# KiCad board washington-metro-pcb.kicad_pcb
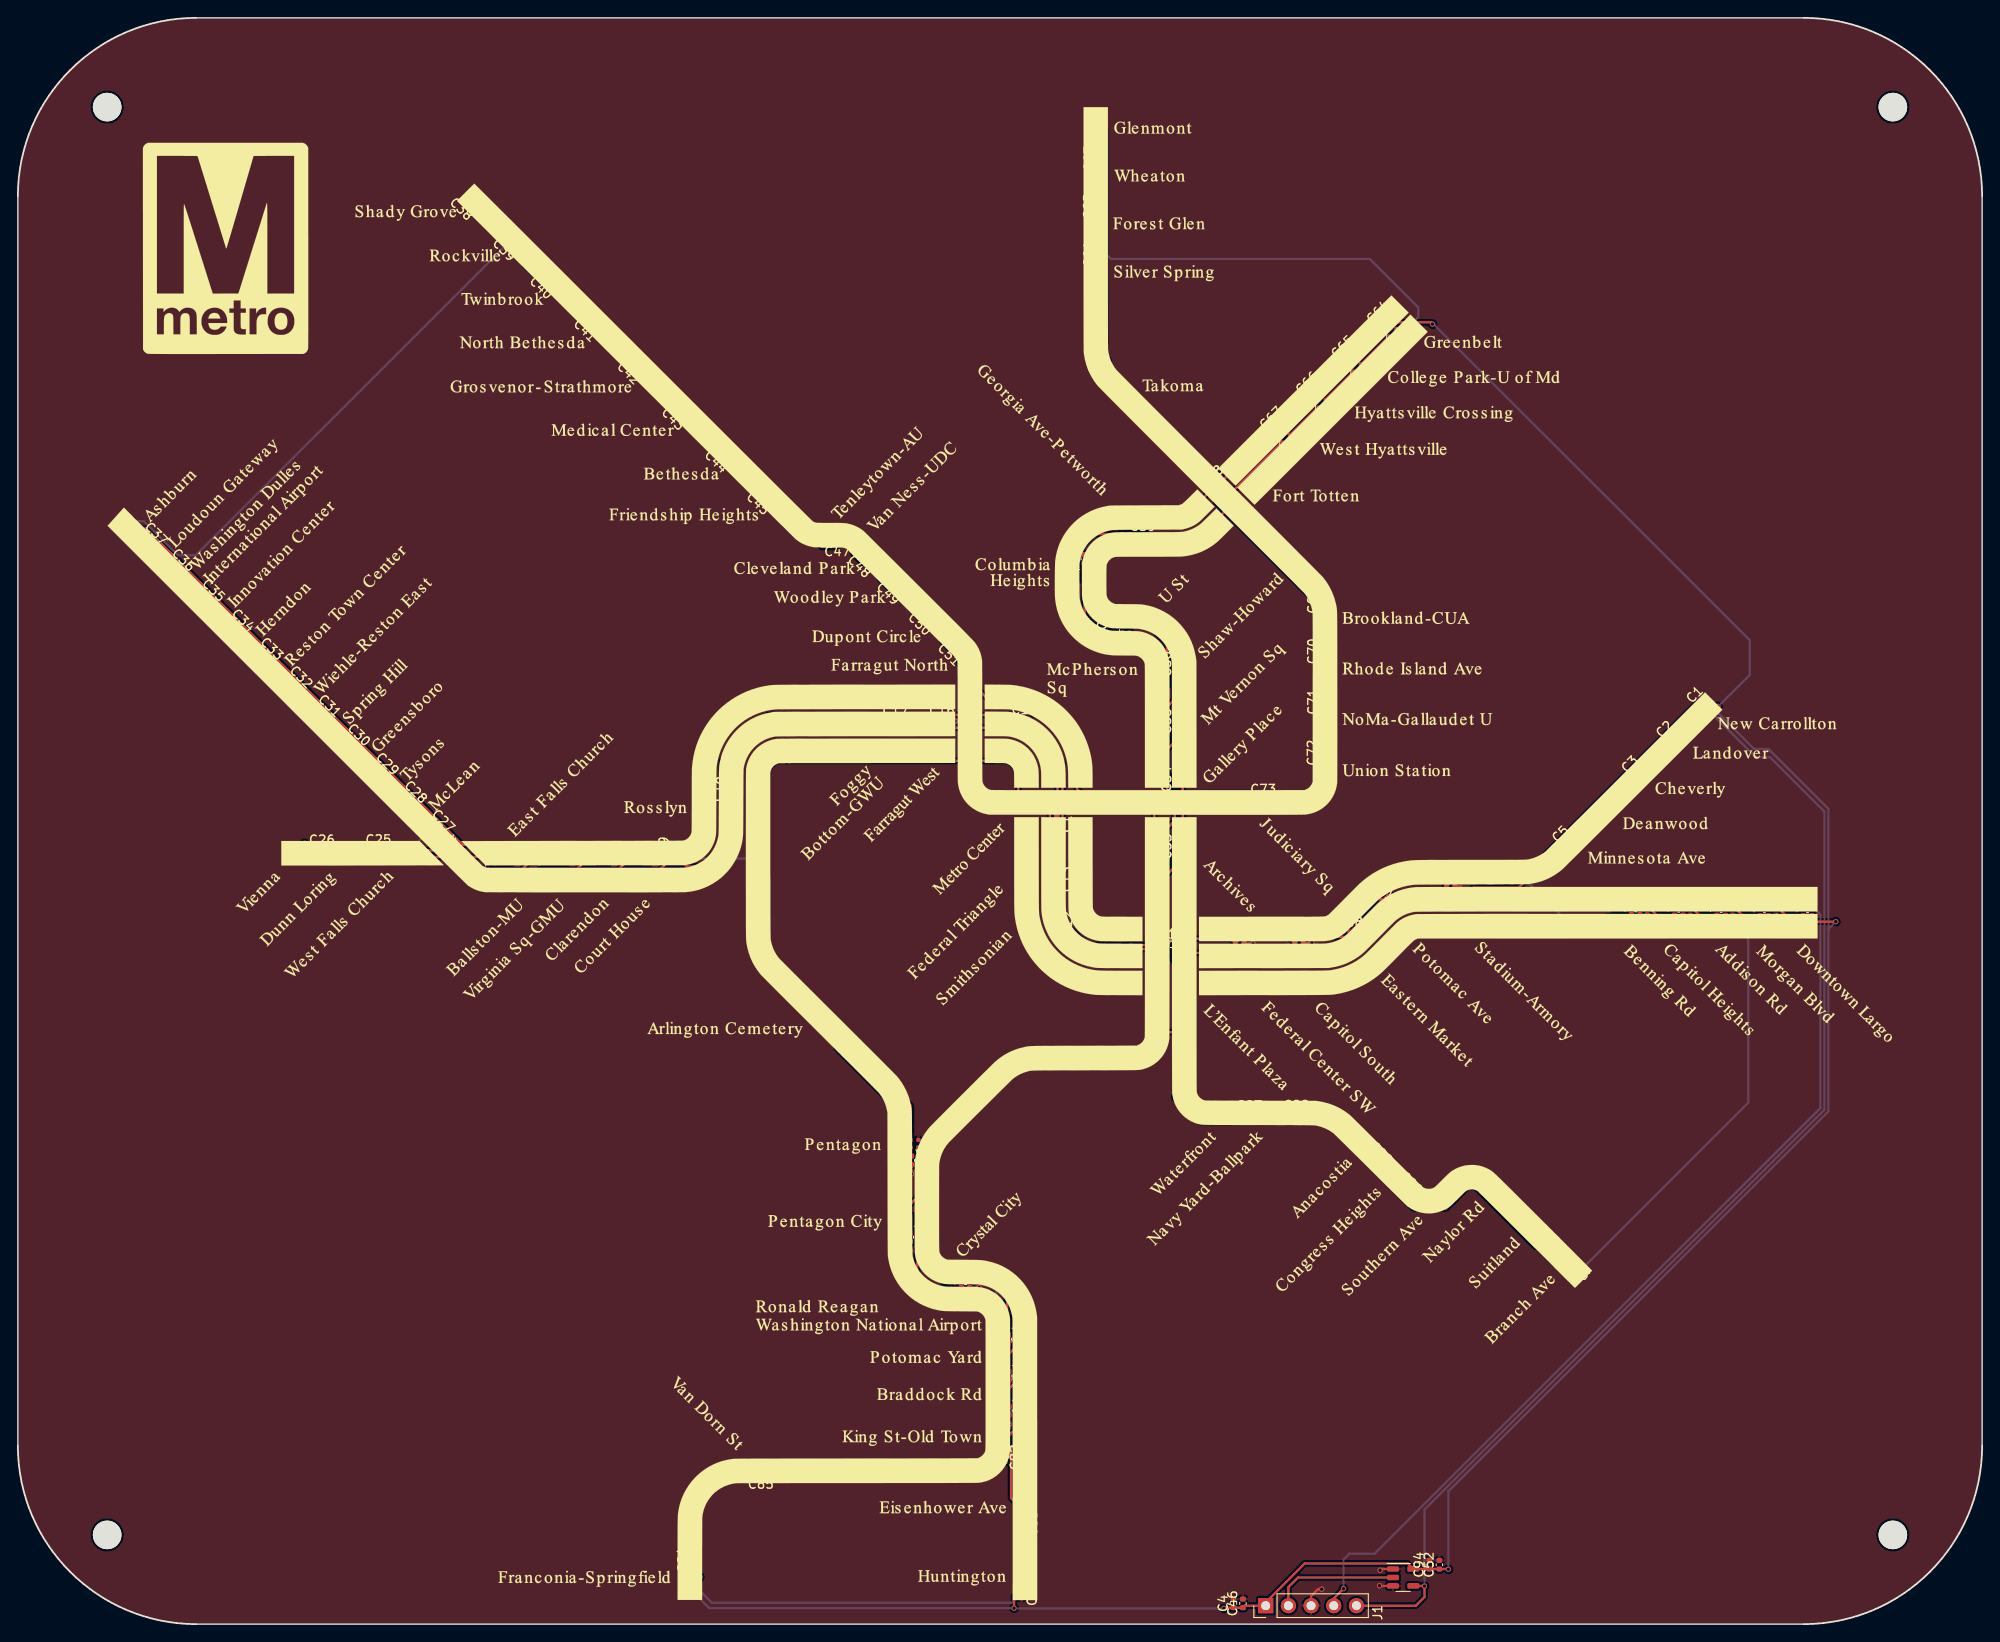
[diagram p0: board, top side]
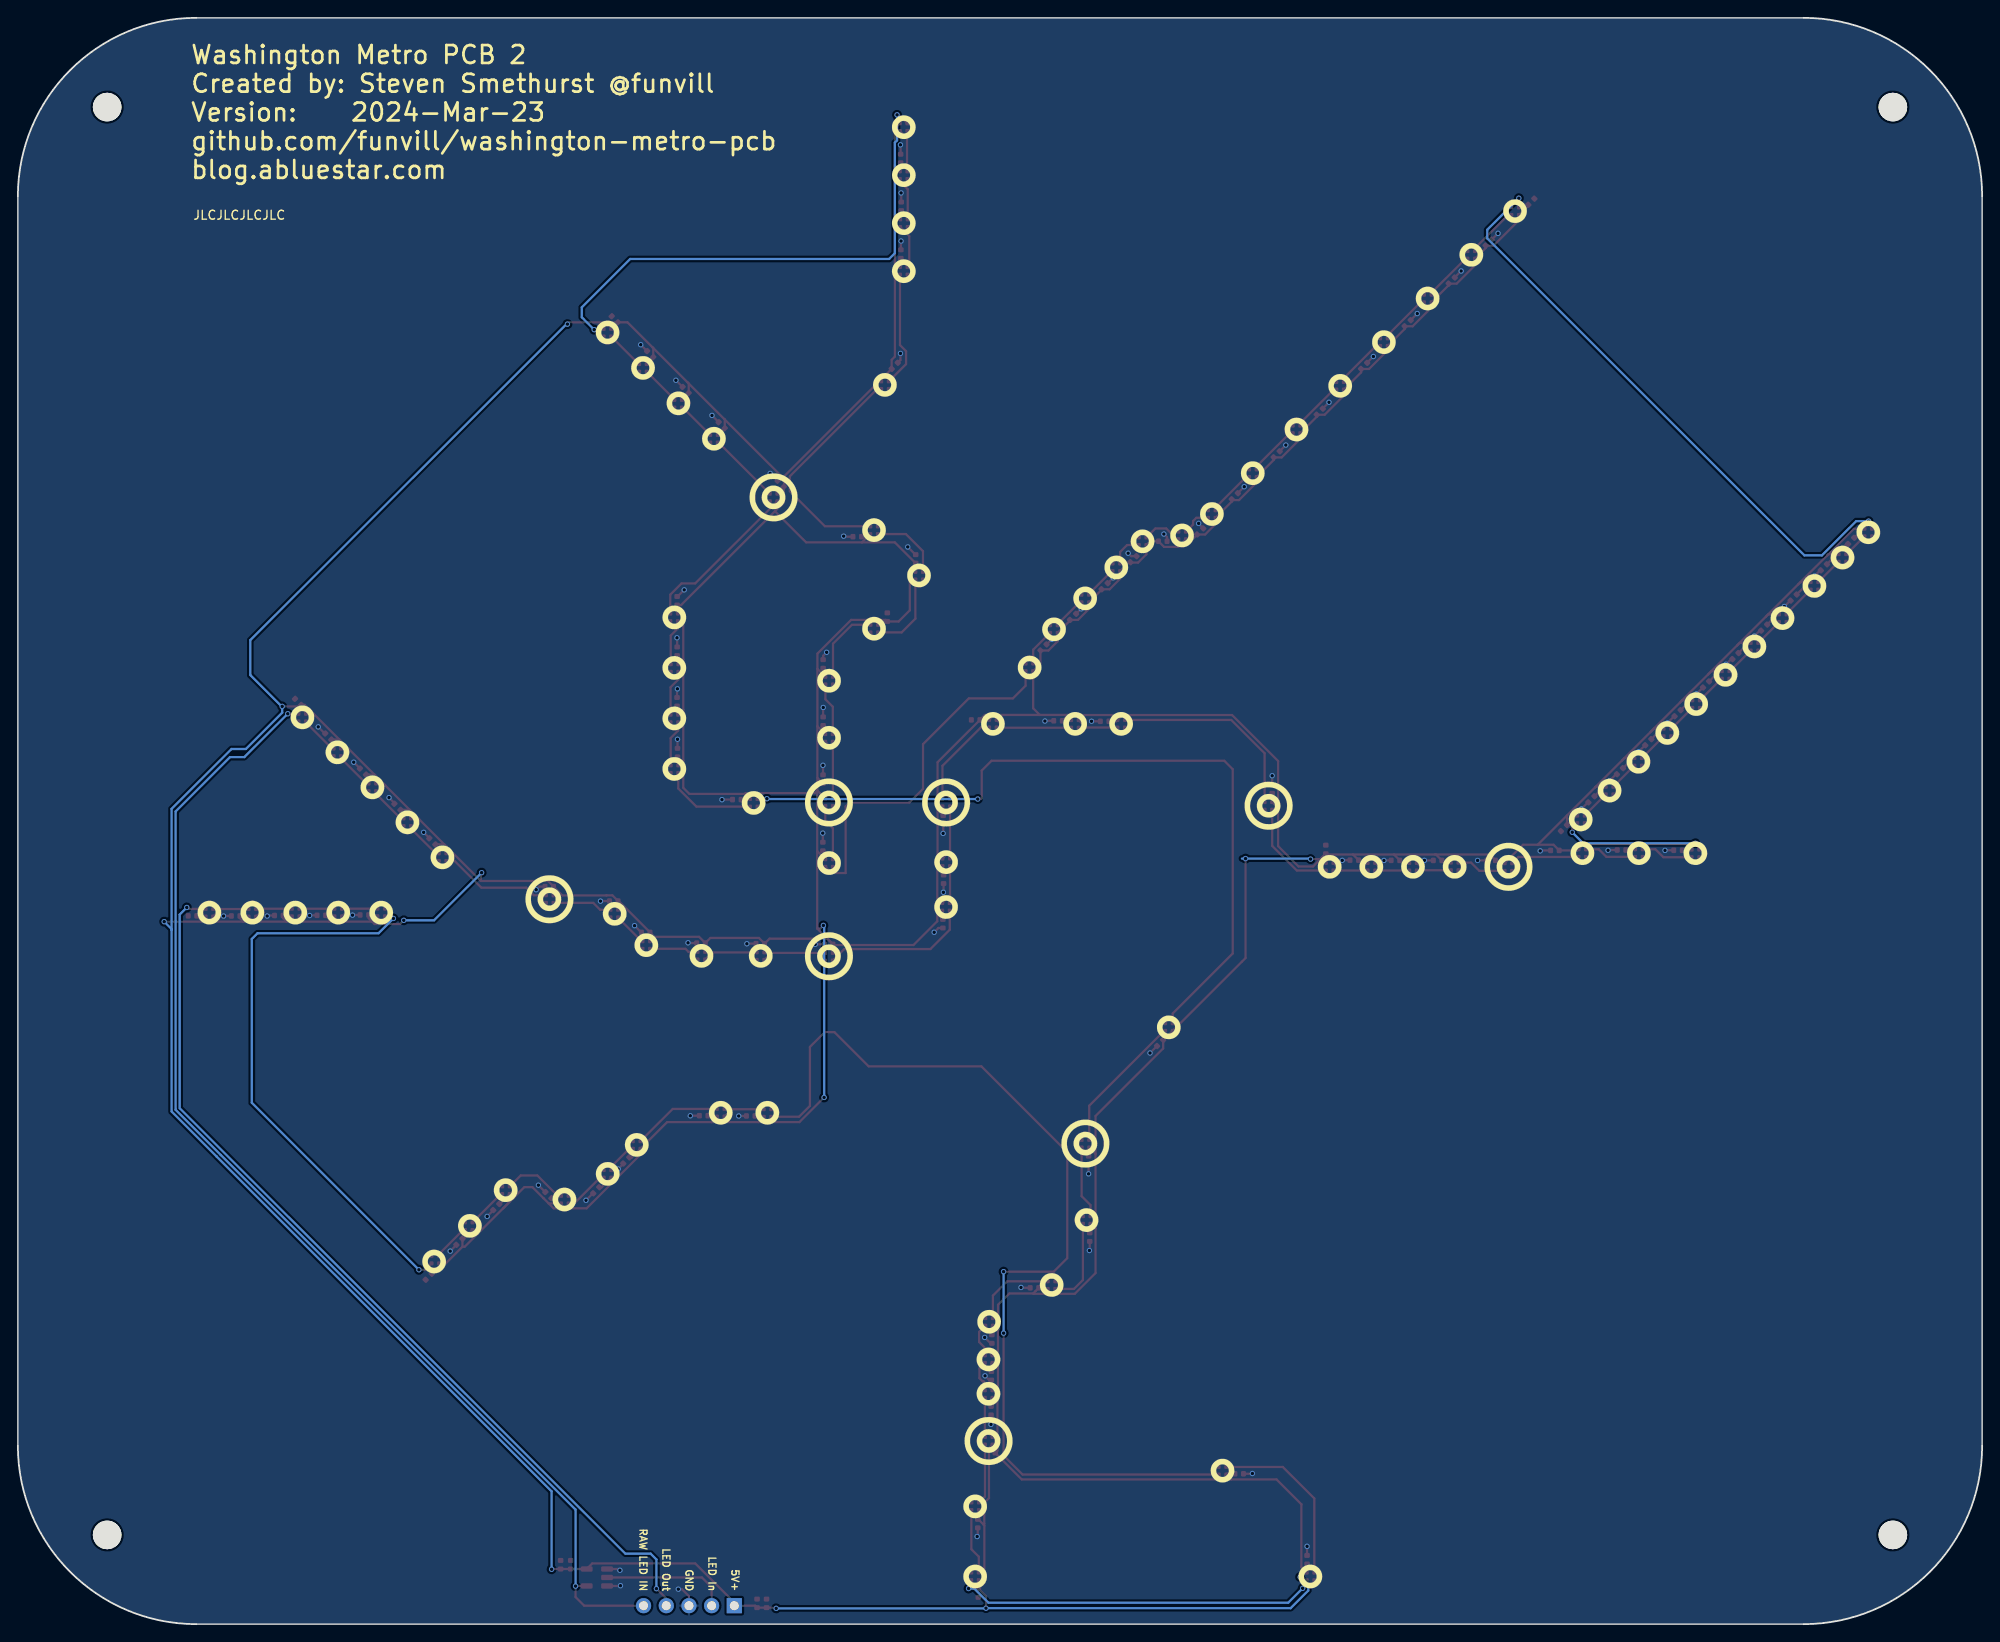
[diagram p1: board, bottom side, seen from below]

Outline 220 x 180 mm; copper layers: Top, Bottom. Coordinates in mm from the lower left corner of the outline.
Outline path: 0,160 arc(5.86,174.14) 20,180 200,180 arc(214.14,174.14) 220,160 220,20 arc(214.14,5.86) 200,0 20,0 arc(5.86,5.86) 0,20 0,160
Stack: Top 0.035mm / dielectric 1.51mm FR4 er 4.5 / Bottom 0.035mm

## Placement (name value [footprint] x y rotation side)
C1  1uF,25V,X5R  [C_0402_1005Metric]  188.62 103.35 45 top
C2  1uF,25V,X5R  [C_0402_1005Metric]  185.23 99.47 45 top
C3  1uF,25V,X5R  [C_0402_1005Metric]  181.35 95.54 45 top
C4  1uF,25V,X5R  [C_0402_1005Metric]  136.15 2.33 90 top
C5  1uF,25V,X5R  [C_0402_1005Metric]  173.58 87.72 45 top
C6  1uF,25V,X5R  [C_0402_1005Metric]  160.48 82.65 0 top
C7  1uF,25V,X5R  [C_0402_1005Metric]  153.26 81.03 0 top
C8  1uF,25V,X5R  [C_0402_1005Metric]  149.68 77.52 0 top
C9  1uF,25V,X5R  [C_0402_1005Metric]  143.49 76.32 0 top
C10  1uF,25V,X5R  [C_0402_1005Metric]  136.85 76.26 0 top
C11  1uF,25V,X5R  [C_0402_1005Metric]  129.19 76.18 0 top
C12  1uF,25V,X5R  [C_0402_1005Metric]  116.4 78.49 270 top
C13  1uF,25V,X5R  [C_0402_1005Metric]  116.32 83.47 270 top
C14  1uF,25V,X5R  [C_0402_1005Metric]  116.36 90.13 270 top
C15  1uF,25V,X5R  [C_0402_1005Metric]  112.73 101.33 0 top
C16  1uF,25V,X5R  [C_0402_1005Metric]  103.5 101.23 0 top
C17  1uF,25V,X5R  [C_0402_1005Metric]  98.28 101.17 0 top
C18  1uF,25V,X5R  [C_0402_1005Metric]  79.52 93.58 90 top
C19  1uF,25V,X5R  [C_0402_1005Metric]  73.51 86.81 90 top
C20  1uF,25V,X5R  [C_0402_1005Metric]  70.32 85.61 0 top
C21  1uF,25V,X5R  [C_0402_1005Metric]  65.71 85.59 0 top
C22  1uF,25V,X5R  [C_0402_1005Metric]  60.99 85.58 0 top
C23  1uF,25V,X5R  [C_0402_1005Metric]  54.99 85.59 0 top
C24  1uF,25V,X5R  [C_0402_1005Metric]  47.85 86.7 0 top
C25  1uF,25V,X5R  [C_0402_1005Metric]  40.39 86.75 0 top
C26  1uF,25V,X5R  [C_0402_1005Metric]  34.06 86.72 0 top
C27  1uF,25V,X5R  [C_0402_1005Metric]  46.84 89.2 315 top
C28  1uF,25V,X5R  [C_0402_1005Metric]  43.76 92.43 315 top
C29  1uF,25V,X5R  [C_0402_1005Metric]  40.57 95.58 315 top
C30  1uF,25V,X5R  [C_0402_1005Metric]  37.39 98.83 315 top
C31  1uF,25V,X5R  [C_0402_1005Metric]  34.11 102.08 315 top
C32  1uF,25V,X5R  [C_0402_1005Metric]  30.92 105.3 315 top
C33  1uF,25V,X5R  [C_0402_1005Metric]  27.63 108.48 315 top
C34  1uF,25V,X5R  [C_0402_1005Metric]  24.42 111.67 315 top
C35  1uF,25V,X5R  [C_0402_1005Metric]  21.11 115.04 315 top
C36  1uF,25V,X5R  [C_0402_1005Metric]  17.73 118.43 315 top
C37  1uF,25V,X5R  [C_0402_1005Metric]  14.67 121.39 315 top
C38  1uF,25V,X5R  [C_0402_1005Metric]  50.49 159.4 135 top
C39  1uF,25V,X5R  [C_0402_1005Metric]  55.27 154.82 135 top
C40  1uF,25V,X5R  [C_0402_1005Metric]  59.41 150.56 135 top
C41  1uF,25V,X5R  [C_0402_1005Metric]  64.34 145.78 135 top
C42  1uF,25V,X5R  [C_0402_1005Metric]  69.22 141 135 top
C43  1uF,25V,X5R  [C_0402_1005Metric]  74.19 135.87 135 top
C44  1uF,25V,X5R  [C_0402_1005Metric]  79.01 131.09 135 top
C45  1uF,25V,X5R  [C_0402_1005Metric]  83.7 126.39 135 top
C46  1uF,25V,X5R  [C_0402_1005Metric]  137.21 2.33 90 top
C47  1uF,25V,X5R  [C_0402_1005Metric]  91.77 121.35 180 top
C48  1uF,25V,X5R  [C_0402_1005Metric]  95.05 119.34 135 top
C49  1uF,25V,X5R  [C_0402_1005Metric]  98.28 116.31 135 top
C50  1uF,25V,X5R  [C_0402_1005Metric]  101.82 112.88 135 top
C51  1uF,25V,X5R  [C_0402_1005Metric]  105.13 109.45 135 top
C52  1uF,25V,X5R  [C_0402_1005Metric]  159.21 6.66 90 top
C53  1uF,25V,X5R  [C_0402_1005Metric]  129.84 87.14 90 top
C54  1uF,25V,X5R  [C_0402_1005Metric]  129.82 94.69 90 top
C55  1uF,25V,X5R  [C_0402_1005Metric]  129.81 101.18 90 top
C56  1uF,25V,X5R  [C_0402_1005Metric]  129.81 107.6 90 top
C57  1uF,25V,X5R  [C_0402_1005Metric]  122.62 112.84 90 top
C58  1uF,25V,X5R  [C_0402_1005Metric]  119.44 119.37 90 top
C59  1uF,25V,X5R  [C_0402_1005Metric]  125.99 121.86 0 top
C60  1uF,25V,X5R  [C_0402_1005Metric]  121.79 141.01 135 top
C61  1uF,25V,X5R  [C_0402_1005Metric]  121.1 153.53 90 top
C62  1uF,25V,X5R  [C_0402_1005Metric]  121.06 158.88 90 top
C63  1uF,25V,X5R  [C_0402_1005Metric]  121.13 164.24 90 top
C64  1uF,25V,X5R  [C_0402_1005Metric]  153.15 146.22 45 top
C65  1uF,25V,X5R  [C_0402_1005Metric]  149.18 142.32 45 top
C66  1uF,25V,X5R  [C_0402_1005Metric]  145.21 138.3 45 top
C67  1uF,25V,X5R  [C_0402_1005Metric]  141.17 134.35 45 top
C68  1uF,25V,X5R  [C_0402_1005Metric]  134.56 127.79 45 top
C69  1uF,25V,X5R  [C_0402_1005Metric]  146.16 114.68 90 top
C70  1uF,25V,X5R  [C_0402_1005Metric]  146.16 109.02 90 top
C71  1uF,25V,X5R  [C_0402_1005Metric]  146.17 103.36 90 top
C72  1uF,25V,X5R  [C_0402_1005Metric]  146.12 97.66 90 top
C73  1uF,25V,X5R  [C_0402_1005Metric]  139.48 92.4 0 top
C74  1uF,25V,X5R  [C_0402_1005Metric]  112.43 3.49 270 top
C75  1uF,25V,X5R  [C_0402_1005Metric]  92.07 65.13 315 top
C76  1uF,25V,X5R  [C_0402_1005Metric]  100.08 51.97 270 top
C77  1uF,25V,X5R  [C_0402_1005Metric]  99.95 43.37 270 top
C78  1uF,25V,X5R  [C_0402_1005Metric]  106.14 37.69 0 top
C79  1uF,25V,X5R  [C_0402_1005Metric]  110.91 31.95 270 top
C80  1uF,25V,X5R  [C_0402_1005Metric]  110.97 27.83 270 top
C81  1uF,25V,X5R  [C_0402_1005Metric]  111 23.92 270 top
C82  1uF,25V,X5R  [C_0402_1005Metric]  110.53 18.7 270 top
C83  1uF,25V,X5R  [C_0402_1005Metric]  112.49 11.27 270 top
C84  1uF,25V,X5R  [C_0402_1005Metric]  75.61 7.22 90 top
C85  1uF,25V,X5R  [C_0402_1005Metric]  83.21 16.85 180 top
C86  1uF,25V,X5R  [C_0402_1005Metric]  173.99 38.93 315 top
C87  1uF,25V,X5R  [C_0402_1005Metric]  137.92 56.95 0 top
C88  1uF,25V,X5R  [C_0402_1005Metric]  143.19 56.98 0 top
C89  1uF,25V,X5R  [C_0402_1005Metric]  151.86 51.96 315 top
C90  1uF,25V,X5R  [C_0402_1005Metric]  155.22 48.62 315 top
C91  1uF,25V,X5R  [C_0402_1005Metric]  160.58 48.08 45 top
C92  1uF,25V,X5R  [C_0402_1005Metric]  166.42 46.74 315 top
C93  1uF,25V,X5R  [C_0402_1005Metric]  170.55 42.85 315 top
C94  1uF,25V,X5R  [C_0402_1005Metric]  158.08 6.66 90 top
C95  1uF,25V,X5R  [C_0402_1005Metric]  181.19 79.47 0 top
C96  1uF,25V,X5R  [C_0402_1005Metric]  186.01 79.43 0 top
C97  1uF,25V,X5R  [C_0402_1005Metric]  190.77 79.41 0 top
C98  1uF,25V,X5R  [C_0402_1005Metric]  195.61 79.36 0 top
C99  1uF,25V,X5R  [C_0402_1005Metric]  200.44 79.37 0 top
CG  1uF,25V,X5R  [C_0402_1005Metric]  87.58 122.45 135 top
CR  1uF,25V,X5R  [C_0402_1005Metric]  177.49 91.59 45 top
G***  -  [LOGO]  110 70 0 top
G***#2  -  [LOGO]  110 70 0 top
G***#3  -  [LOGO]  110 70 0 top
H1  MountingHole  [MountingHole_3.2mm_M3]  210 170 0 top
H2  MountingHole  [MountingHole_3.2mm_M3]  10 170 0 top
H3  MountingHole  [MountingHole_3.2mm_M3]  10 10 0 top
H4  MountingHole  [MountingHole_3.2mm_M3]  210 10 0 top
J1  Conn_01x05  [PinHeader_1x05_P2.54mm_Vertical]  139.76 2.07 90 top
LED1  WS2812B  [XL-1010RGBC-WS2812B]  188.15 101.59 90 top
LED2  WS2812B  [XL-1010RGBC-WS2812B]  184.21 97.69 90 top
LED3  WS2812B  [XL-1010RGBC-WS2812B]  180.3 93.78 90 top
LED4  WS2812B  [XL-1010RGBC-WS2812B]  176.38 89.86 90 top
LED5  WS2812B  [XL-1010RGBC-WS2812B]  172.43 85.95 90 top
LED6  WS2812B  [XL-1010RGBC-WS2812B]  160.43 81.25 90 top
LED7  WS2812B  [XL-1010RGBC-WS2812B]  153.2 79.63 90 top
LED8  WS2812B  [XL-1010RGBC-WS2812B]  149.62 76.1 90 top
LED9  WS2812B  [XL-1010RGBC-WS2812B]  143.45 74.91 90 top
LED10  WS2812B  [XL-1010RGBC-WS2812B]  136.82 74.86 90 top
LED11  WS2812B  [XL-1010RGBC-WS2812B]  129.15 74.79 90 top
LED12  WS2812B  [XL-1010RGBC-WS2812B]  116.05 80.38 270 top
LED13  WS2812B  [XL-1010RGBC-WS2812B]  116.02 85.37 270 top
LED14  WS2812B  [XL-1010RGBC-WS2812B]  116.02 92.07 270 top
LED15  WS2812B  [XL-1010RGBC-WS2812B]  110.8 100.91 0 top
LED16  WS2812B  [XL-1010RGBC-WS2812B]  101.61 100.88 0 top
LED17  WS2812B  [XL-1010RGBC-WS2812B]  96.42 100.9 0 top
LED18  WS2812B  [XL-1010RGBC-WS2812B]  79.94 91.69 90 top
LED19  WS2812B  [XL-1010RGBC-WS2812B]  73.08 84.88 0 top
LED20  WS2812B  [XL-1010RGBC-WS2812B]  68.4 84.88 0 top
LED21  WS2812B  [XL-1010RGBC-WS2812B]  63.74 84.88 0 top
LED22  WS2812B  [XL-1010RGBC-WS2812B]  59.08 84.91 0 top
LED23  WS2812B  [XL-1010RGBC-WS2812B]  53.06 84.84 0 top
LED24  WS2812B  [XL-1010RGBC-WS2812B]  44.79 86.4 0 top
LED25  WS2812B  [XL-1010RGBC-WS2812B]  38.44 86.41 0 top
LED26  WS2812B  [XL-1010RGBC-WS2812B]  32.11 86.37 0 top
LED27  WS2812B  [XL-1010RGBC-WS2812B]  44.93 90.18 0 top
LED28  WS2812B  [XL-1010RGBC-WS2812B]  41.73 93.41 0 top
LED29  WS2812B  [XL-1010RGBC-WS2812B]  38.53 96.63 0 top
LED30  WS2812B  [XL-1010RGBC-WS2812B]  35.26 99.92 0 top
LED31  WS2812B  [XL-1010RGBC-WS2812B]  32.04 103.1 0 top
LED32  WS2812B  [XL-1010RGBC-WS2812B]  28.73 106.37 0 top
LED33  WS2812B  [XL-1010RGBC-WS2812B]  25.5 109.53 0 top
LED34  WS2812B  [XL-1010RGBC-WS2812B]  22.33 112.73 0 top
LED35  WS2812B  [XL-1010RGBC-WS2812B]  18.78 116.35 0 top
LED36  WS2812B  [XL-1010RGBC-WS2812B]  15.65 119.48 0 top
LED37  WS2812B  [XL-1010RGBC-WS2812B]  12.75 122.33 0 top
LED38  WS2812B  [XL-1010RGBC-WS2812B]  52.3 158.33 180 top
LED39  WS2812B  [XL-1010RGBC-WS2812B]  57.22 153.44 180 top
LED40  WS2812B  [XL-1010RGBC-WS2812B]  62.09 148.55 180 top
LED41  WS2812B  [XL-1010RGBC-WS2812B]  67 143.66 180 top
LED42  WS2812B  [XL-1010RGBC-WS2812B]  71.91 138.77 180 top
LED43  WS2812B  [XL-1010RGBC-WS2812B]  76.79 133.88 180 top
LED44  WS2812B  [XL-1010RGBC-WS2812B]  81.68 128.97 180 top
LED45  WS2812B  [XL-1010RGBC-WS2812B]  86.28 124.4 180 top
LED46  WS2812B  [XL-1010RGBC-WS2812B]  89.6 122 180 top
LED47  WS2812B  [XL-1010RGBC-WS2812B]  94.03 121.35 180 top
LED48  WS2812B  [XL-1010RGBC-WS2812B]  96.97 118.43 180 top
LED49  WS2812B  [XL-1010RGBC-WS2812B]  100.45 114.93 180 top
LED50  WS2812B  [XL-1010RGBC-WS2812B]  103.96 111.51 180 top
LED51  WS2812B  [XL-1010RGBC-WS2812B]  106.71 107.22 180 top
LED52  WS2812B  [XL-1010RGBC-WS2812B]  129.14 85.29 0 top
LED53  WS2812B  [XL-1010RGBC-WS2812B]  129.14 92.1 0 top
LED54  WS2812B  [XL-1010RGBC-WS2812B]  129.15 99.31 0 top
LED55  WS2812B  [XL-1010RGBC-WS2812B]  129.13 105.73 0 top
LED56  WS2812B  [XL-1010RGBC-WS2812B]  124.08 111.56 90 top
LED57  WS2812B  [XL-1010RGBC-WS2812B]  119.05 117.49 0 top
LED58  WS2812B  [XL-1010RGBC-WS2812B]  124.1 122.58 270 top
LED59  WS2812B  [XL-1010RGBC-WS2812B]  122.88 138.84 0 top
LED60  WS2812B  [XL-1010RGBC-WS2812B]  120.78 151.65 0 top
LED61  WS2812B  [XL-1010RGBC-WS2812B]  120.76 156.99 0 top
LED62  WS2812B  [XL-1010RGBC-WS2812B]  120.79 162.37 0 top
LED63  WS2812B  [XL-1010RGBC-WS2812B]  120.8 167.75 0 top
LED64  WS2812B  [XL-1010RGBC-WS2812B]  153.97 144.72 90 top
LED65  WS2812B  [XL-1010RGBC-WS2812B]  149.99 140.78 90 top
LED66  WS2812B  [XL-1010RGBC-WS2812B]  146.05 136.76 90 top
LED67  WS2812B  [XL-1010RGBC-WS2812B]  142.03 132.84 90 top
LED68  WS2812B  [XL-1010RGBC-WS2812B]  135.36 126.25 90 top
LED69  WS2812B  [XL-1010RGBC-WS2812B]  146.5 112.82 90 top
LED70  WS2812B  [XL-1010RGBC-WS2812B]  146.45 107.14 90 top
LED71  WS2812B  [XL-1010RGBC-WS2812B]  146.47 101.49 90 top
LED72  WS2812B  [XL-1010RGBC-WS2812B]  146.46 95.81 90 top
LED73  WS2812B  [XL-1010RGBC-WS2812B]  137.58 92.04 0 top
LED74  WS2812B  [XL-1010RGBC-WS2812B]  91.08 66.91 180 top
LED75  WS2812B  [XL-1010RGBC-WS2812B]  100.43 53.84 180 top
LED76  WS2812B  [XL-1010RGBC-WS2812B]  100.29 45.29 180 top
LED77  WS2812B  [XL-1010RGBC-WS2812B]  104.23 37.99 270 top
LED78  WS2812B  [XL-1010RGBC-WS2812B]  111.22 33.87 180 top
LED79  WS2812B  [XL-1010RGBC-WS2812B]  111.27 29.7 180 top
LED80  WS2812B  [XL-1010RGBC-WS2812B]  111.27 25.79 180 top
LED81  WS2812B  [XL-1010RGBC-WS2812B]  111.26 20.55 180 top
LED82  WS2812B  [XL-1010RGBC-WS2812B]  112.78 13.21 180 top
LED83  WS2812B  [XL-1010RGBC-WS2812B]  112.8 5.36 180 top
LED84  WS2812B  [XL-1010RGBC-WS2812B]  75.22 5.35 0 top
LED85  WS2812B  [XL-1010RGBC-WS2812B]  85.08 17.19 180 top
LED86  WS2812B  [XL-1010RGBC-WS2812B]  136.04 57.28 270 top
LED87  WS2812B  [XL-1010RGBC-WS2812B]  141.28 57.31 270 top
LED88  WS2812B  [XL-1010RGBC-WS2812B]  150.69 53.7 180 top
LED89  WS2812B  [XL-1010RGBC-WS2812B]  153.96 50.46 180 top
LED90  WS2812B  [XL-1010RGBC-WS2812B]  158.74 47.57 270 top
LED91  WS2812B  [XL-1010RGBC-WS2812B]  165.33 48.63 180 top
LED92  WS2812B  [XL-1010RGBC-WS2812B]  169.5 44.59 180 top
LED93  WS2812B  [XL-1010RGBC-WS2812B]  173.25 40.85 180 top
LED94  WS2812B  [XL-1010RGBC-WS2812B]  179.3 79.75 270 top
LED95  WS2812B  [XL-1010RGBC-WS2812B]  184.12 79.74 270 top
LED96  WS2812B  [XL-1010RGBC-WS2812B]  188.89 79.74 270 top
LED97  WS2812B  [XL-1010RGBC-WS2812B]  193.74 79.71 270 top
LED98  WS2812B  [XL-1010RGBC-WS2812B]  198.55 79.72 270 top
U1  74AHC1G125  [SOT-23-5]  155.15 5.23 0 top

## Library data of the parts
C1-C98 = -: Datasheet: https://datasheet.lcsc.com/lcsc/1811091611_Samsung-Electro-Mechanics-CL05A105KA5NQNC_C52923.pdf; LCSC: C52923; MFG: Samsung Electro-Mechanics; MFGPN: CL05A105KA5NQNC
C99 CG CR = -: Description: 25V 1uF X5R   10% 0402 Multilayer Ceramic Capacitors MLCC - SMD SMT ROHS; LCSC: C52923; MFG: Samsung Electro-Mechanics; MFGPN: CL05A105KA5NQNC
H1-H4 = -: ki_fp_filters: MountingHole*
J1 = -: Description: Generic connector, single row, 01x05, script generated (kicad-library-utils/schlib/autogen/connector/); ki_fp_filters: Connector*:*_1x??_*
LED1-LED98 = -: Datasheet: https://datasheet.lcsc.com/lcsc/2301111010_XINGLIGHT-XL-1010RGBC-WS2812B_C5349953.pdf; LCSC: C5349953; ki_fp_filters: LED*WS2812*PLCC*5.0x5.0mm*P3.2mm*
U1 = -: Datasheet: http://www.ti.com/lit/sg/scyt129e/scyt129e.pdf; LCSC: C23654; ki_fp_filters: SOT* SG-*

## Footprints (pads in the part's own frame, mm; a bottom-side part is the same pattern mirrored in y, then rotated)
C_0402_1005Metric
  rrect 0.56x0.62 smd: 1(-0.48,0) 2(0.48,0)
MountingHole_3.2mm_M3
  round 3.2 hole 3.2 unplated: (0,0)
PinHeader_1x05_P2.54mm_Vertical
  rect 1.7x1.7 hole 1: 1(0,0)
  oval 1.7x1.7 hole 1: 2(0,-2.54) 3(0,-5.08) 4(0,-7.62) 5(0,-10.16)
SOT-23-5
  rrect 1.325x0.6 smd: 1(-1.137,0.95) 2(-1.137,0) 3(-1.137,-0.95) 4(1.137,-0.95) 5(1.137,0.95)
XL-1010RGBC-WS2812B
  rrect 0.45x0.45 smd: 1(-0.425,0.425) 2(0.425,0.425) 3(-0.425,-0.425) 4(0.425,-0.425)
